# Altium PCB GridSeed_Rev04.PcbDoc (part 5 of 6)
Units mm, origin at the board's own origin, x right, y up, seen from the top; angles counter-clockwise.
Board outline 91 x 132.3 mm, 4 copper layers (L1, L2, L3, L4), stack 1.577 mm thick; 519 components, 141 nets, 2171 pads, 2470 vias.
Unrouted connection lines stored in the file: 1.
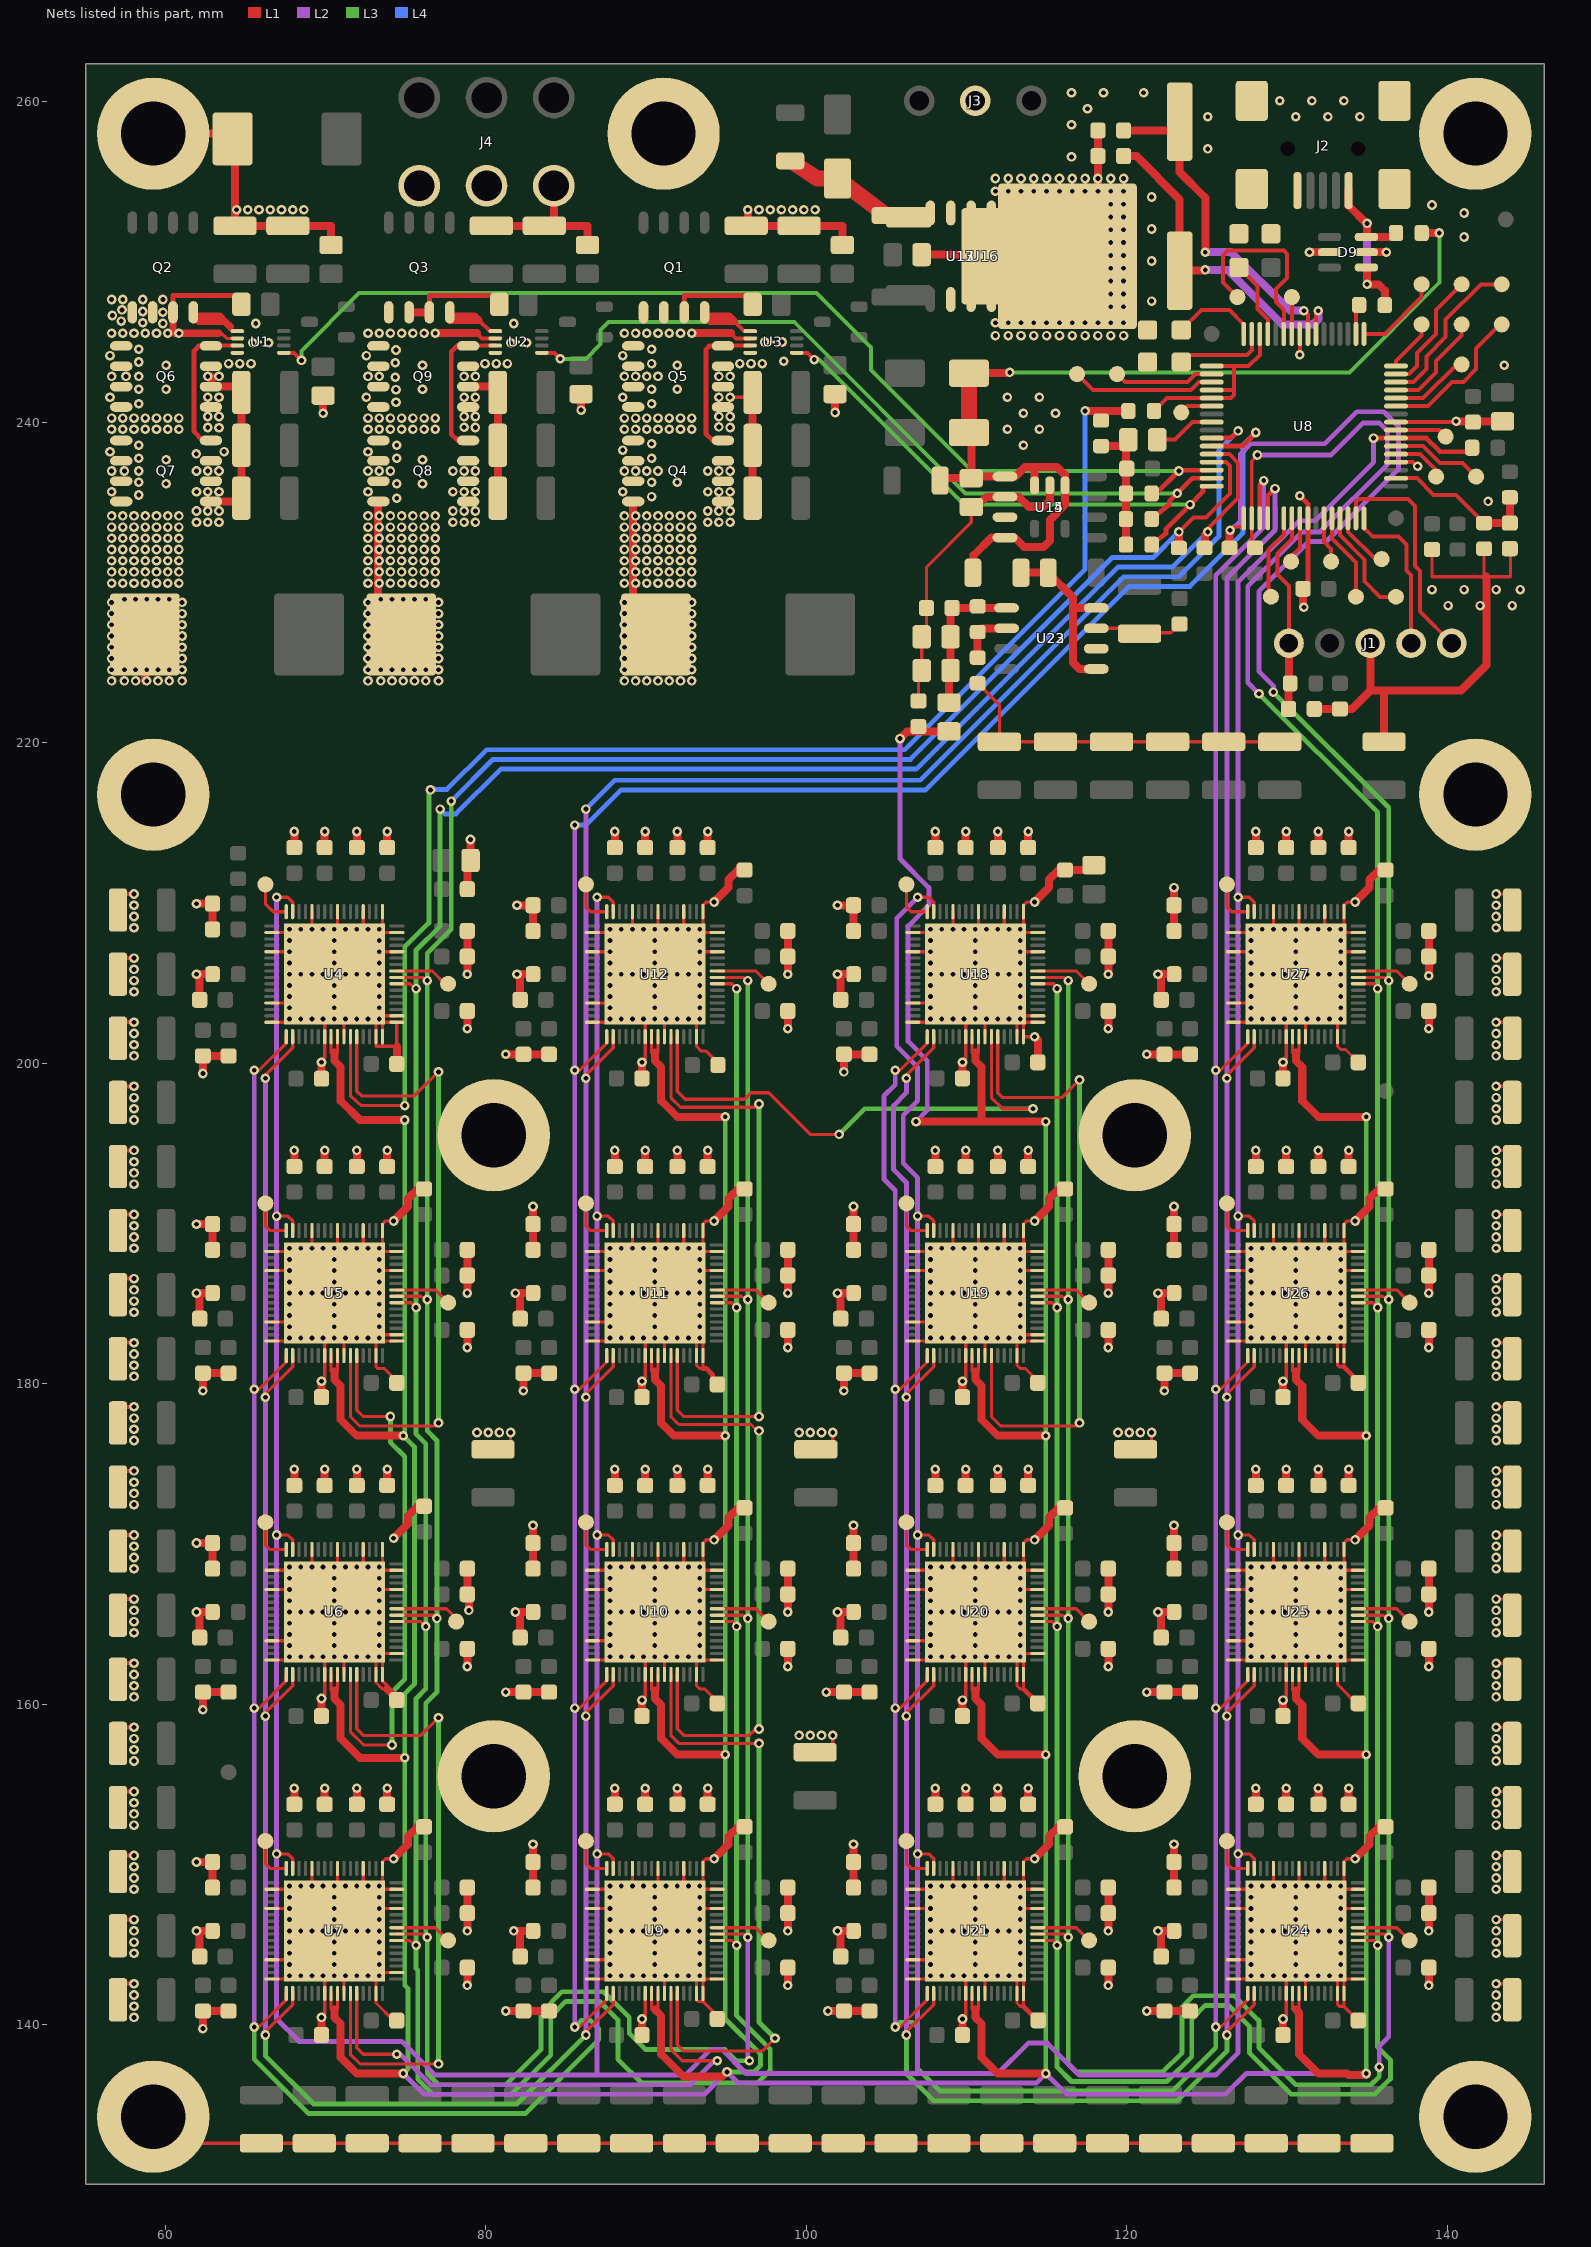
[diagram p7: the nets of this part, all layers, seen from the top]

## Via types
v1: diameter 0.6/0.6/0.6/0.6 (per signal layer), hole 0.3, L1 to L4, 2470 vias

## Nets (pads, with @x,y where several pads share a name; then routed paths per layer and width w, separated by ;. In a path a pad name is that pad's centre, name@x,y a point inside that pad or via, vN(x,y) a via of type N, cw(c..) or ccw(c..) an arc to the next point about the centre after c; other vN are vias at no path point) (continued)
GND: (continued)
  other v1: 58.05,140.45 143.05,140.45 58.05,141.15 143.05,141.15 58.05,141.85 143.05,141.85 67.75,143.05 68.45,143.05 69.15,143.05 69.85,143.05 71.25,143.05 71.95,143.05 72.65,143.05 73.35,143.05 87.75,143.05 88.45,143.05 89.15,143.05 89.85,143.05 91.25,143.05 91.95,143.05 92.65,143.05 93.35,143.05 107.75,143.05 108.45,143.05 109.15,143.05 109.85,143.05 111.25,143.05 111.95,143.05 112.65,143.05 113.35,143.05 127.75,143.05 128.45,143.05 129.15,143.05 129.85,143.05 131.25,143.05 131.95,143.05 132.65,143.05 133.35,143.05 67.75,143.75 73.35,143.75 87.75,143.75 93.35,143.75 107.75,143.75 113.35,143.75 127.75,143.75 133.35,143.75 58.05,144.45 67.75,144.45 73.35,144.45 87.75,144.45 93.35,144.45 107.75,144.45 113.35,144.45 127.75,144.45 133.35,144.45 143.05,144.45 58.05,145.15 67.75,145.15 73.35,145.15 87.75,145.15 93.35,145.15 107.75,145.15 113.35,145.15 127.75,145.15 133.35,145.15 143.05,145.15 58.05,145.85 67.75,145.85 68.45,145.85 69.15,145.85 69.85,145.85 71.25,145.85 71.95,145.85 72.65,145.85 73.35,145.85 87.75,145.85 88.45,145.85 89.15,145.85 89.85,145.85 91.25,145.85 91.95,145.85 92.65,145.85 93.35,145.85 107.75,145.85 108.45,145.85 109.15,145.85 109.85,145.85 111.25,145.85 111.95,145.85 112.65,145.85 113.35,145.85 127.75,145.85 128.45,145.85 129.15,145.85 129.85,145.85 131.25,145.85 131.95,145.85 132.65,145.85 133.35,145.85 143.05,145.85 67.75,146.55 73.35,146.55 87.75,146.55 93.35,146.55 107.75,146.55 113.35,146.55 127.75,146.55 133.35,146.55 67.75,147.95 73.35,147.95 87.75,147.95 93.35,147.95 107.75,147.95 113.35,147.95 127.75,147.95 133.35,147.95 58.05,148.45 143.05,148.45 67.75,148.65 68.45,148.65 69.85,148.65 70.55,148.65 71.25,148.65 71.95,148.65 72.65,148.65 73.35,148.65 87.75,148.65 88.45,148.65 89.85,148.65 90.55,148.65 91.25,148.65 91.95,148.65 92.65,148.65 93.35,148.65 107.75,148.65 108.45,148.65 109.85,148.65 110.55,148.65 111.25,148.65 111.95,148.65 112.65,148.65 113.35,148.65 127.75,148.65 128.45,148.65 129.85,148.65 130.55,148.65 131.25,148.65 131.95,148.65 132.65,148.65 133.35,148.65 58.05,149.15 143.05,149.15 58.05,149.85 143.05,149.85 58.05,152.45 143.05,152.45 58.05,153.15 143.05,153.15 58.05,153.85 143.05,153.85 58.05,156.45 143.05,156.45 58.05,157.15 143.05,157.15 58.05,157.85 143.05,157.85 99.55,158.05 100.25,158.05 100.95,158.05 58.05,160.45 143.05,160.45 58.05,161.15 143.05,161.15 58.05,161.85 143.05,161.85 68.45,162.95 69.15,162.95 69.85,162.95 71.25,162.95 71.95,162.95 72.65,162.95 73.35,162.95 87.75,162.95 88.45,162.95 89.15,162.95 89.85,162.95 91.25,162.95 91.95,162.95 92.65,162.95 93.35,162.95 107.75,162.95 108.45,162.95 109.15,162.95 109.85,162.95 111.25,162.95 111.95,162.95 112.65,162.95 113.35,162.95 127.75,162.95 128.45,162.95 129.15,162.95 129.85,162.95 131.25,162.95 131.95,162.95 132.65,162.95 133.35,162.95 67.75,163.65 73.35,163.65 87.75,163.65 93.35,163.65 107.75,163.65 113.35,163.65 127.75,163.65 133.35,163.65 67.75,164.35 73.35,164.35 87.75,164.35 93.35,164.35 107.75,164.35 113.35,164.35 127.75,164.35 133.35,164.35 58.05,164.45 143.05,164.45 67.75,165.05 73.35,165.05 87.75,165.05 93.35,165.05 107.75,165.05 113.35,165.05 127.75,165.05 133.35,165.05 58.05,165.15 143.05,165.15 67.75,165.75 68.45,165.75 69.15,165.75 69.85,165.75 71.25,165.75 71.95,165.75 72.65,165.75 73.35,165.75 87.75,165.75 88.45,165.75 89.15,165.75 89.85,165.75 91.25,165.75 91.95,165.75 92.65,165.75 93.35,165.75 107.75,165.75 108.45,165.75 109.15,165.75 109.85,165.75 111.25,165.75 111.95,165.75 112.65,165.75 113.35,165.75 127.75,165.75 128.45,165.75 129.15,165.75 129.85,165.75 131.25,165.75 131.95,165.75 132.65,165.75 133.35,165.75 58.05,165.85 143.05,165.85 67.75,166.45 73.35,166.45 87.75,166.45 93.35,166.45 107.75,166.45 113.35,166.45 127.75,166.45 133.35,166.45 67.75,167.85 73.35,167.85 87.75,167.85 93.35,167.85 107.75,167.85 113.35,167.85 127.75,167.85 133.35,167.85 58.05,168.45 143.05,168.45 67.75,168.55 68.45,168.55 69.85,168.55 70.55,168.55 71.25,168.55 71.95,168.55 72.65,168.55 73.35,168.55 87.75,168.55 88.45,168.55 89.85,168.55 90.55,168.55 91.25,168.55 91.95,168.55 92.65,168.55 93.35,168.55 107.75,168.55 108.45,168.55 109.85,168.55 110.55,168.55 111.25,168.55 111.95,168.55 112.65,168.55 113.35,168.55 127.75,168.55 128.45,168.55 129.85,168.55 130.55,168.55 131.25,168.55 131.95,168.55 132.65,168.55 133.35,168.55 58.05,169.15 143.05,169.15 58.05,169.85 143.05,169.85 58.05,172.45 143.05,172.45 58.05,173.15 143.05,173.15 58.05,173.85 143.05,173.85 58.05,176.45 143.05,176.45 79.45,176.95 80.15,176.95 80.85,176.95 99.55,176.95 100.25,176.95 100.95,176.95 119.45,176.95 120.15,176.95 120.85,176.95 58.05,177.15 143.05,177.15 58.05,177.85 143.05,177.85 58.05,180.45 143.05,180.45 58.05,181.15 143.05,181.15 58.05,181.85 143.05,181.85 67.75,182.85 68.45,182.85 69.15,182.85 69.85,182.85 71.25,182.85 71.95,182.85 72.65,182.85 73.35,182.85 87.75,182.85 88.45,182.85 89.15,182.85 89.85,182.85 107.75,182.85 108.45,182.85 109.15,182.85 109.85,182.85 111.25,182.85 111.95,182.85 112.65,182.85 113.35,182.85 127.75,182.85 128.45,182.85 129.15,182.85 129.85,182.85 131.25,182.85 131.95,182.85 132.65,182.85 133.35,182.85 67.75,183.55 73.35,183.55 87.75,183.55 93.35,183.55 107.75,183.55 113.35,183.55 127.75,183.55 133.35,183.55 67.75,184.25 73.35,184.25 87.75,184.25 93.35,184.25 107.75,184.25 113.35,184.25 127.75,184.25 133.35,184.25 58.05,184.45 143.05,184.45 67.75,184.95 73.35,184.95 87.75,184.95 93.35,184.95 107.75,184.95 113.35,184.95 127.75,184.95 133.35,184.95 58.05,185.15 143.05,185.15 67.75,185.65 68.45,185.65 69.15,185.65 69.85,185.65 71.25,185.65 71.95,185.65 72.65,185.65 73.35,185.65 87.75,185.65 88.45,185.65 89.15,185.65 89.85,185.65 91.25,185.65 91.95,185.65 92.65,185.65 93.35,185.65 107.75,185.65 108.45,185.65 109.15,185.65 109.85,185.65 111.25,185.65 111.95,185.65 112.65,185.65 113.35,185.65 127.75,185.65 128.45,185.65 129.15,185.65 129.85,185.65 131.25,185.65 131.95,185.65 132.65,185.65 133.35,185.65 58.05,185.85 143.05,185.85 67.75,186.35 73.35,186.35 87.75,186.35 93.35,186.35 107.75,186.35 113.35,186.35 127.75,186.35 133.35,186.35 67.75,187.75 73.35,187.75 87.75,187.75 93.35,187.75 107.75,187.75 113.35,187.75 127.75,187.75 133.35,187.75 58.05,188.45 67.75,188.45 68.45,188.45 69.85,188.45 70.55,188.45 71.25,188.45 71.95,188.45 72.65,188.45 73.35,188.45 87.75,188.45 88.45,188.45 89.85,188.45 90.55,188.45 91.25,188.45 91.95,188.45 92.65,188.45 93.35,188.45 107.75,188.45 108.45,188.45 109.85,188.45 110.55,188.45 111.25,188.45 111.95,188.45 112.65,188.45 113.35,188.45 127.75,188.45 128.45,188.45 129.85,188.45 130.55,188.45 131.25,188.45 131.95,188.45 132.65,188.45 133.35,188.45 143.05,188.45 58.05,189.15 143.05,189.15 58.05,189.85 143.05,189.85 58.05,192.45 143.05,192.45 58.05,193.15 143.05,193.15 58.05,193.85 143.05,193.85 58.05,196.45 143.05,196.45 58.05,197.15 143.05,197.15 58.05,197.85 143.05,197.85 58.05,200.45 143.05,200.45 58.05,201.15 143.05,201.15 58.05,201.85 143.05,201.85 67.75,202.75 68.45,202.75 69.15,202.75 69.85,202.75 71.25,202.75 71.95,202.75 72.65,202.75 73.35,202.75 87.75,202.75 88.45,202.75 89.15,202.75 89.85,202.75 91.25,202.75 91.95,202.75 92.65,202.75 107.75,202.75 108.45,202.75 109.15,202.75 109.85,202.75 111.25,202.75 111.95,202.75 112.65,202.75 113.35,202.75 127.75,202.75 128.45,202.75 129.15,202.75 129.85,202.75 131.25,202.75 131.95,202.75 132.65,202.75 133.35,202.75 67.75,203.45 73.35,203.45 87.75,203.45 93.35,203.45 107.75,203.45 113.35,203.45 127.75,203.45 133.35,203.45 67.75,204.15 73.35,204.15 87.75,204.15 93.35,204.15 107.75,204.15 113.35,204.15 127.75,204.15 133.35,204.15 58.05,204.45 143.05,204.45 67.75,204.85 73.35,204.85 87.75,204.85 93.35,204.85 107.75,204.85 113.35,204.85 127.75,204.85 133.35,204.85 58.05,205.15 143.05,205.15 67.75,205.55 68.45,205.55 69.15,205.55 69.85,205.55 71.25,205.55 71.95,205.55 72.65,205.55 73.35,205.55 87.75,205.55 88.45,205.55 89.15,205.55 89.85,205.55 91.25,205.55 91.95,205.55 92.65,205.55 93.35,205.55 107.75,205.55 108.45,205.55 109.15,205.55 109.85,205.55 111.25,205.55 111.95,205.55 112.65,205.55 113.35,205.55 127.75,205.55 128.45,205.55 129.15,205.55 129.85,205.55 131.25,205.55 131.95,205.55 132.65,205.55 133.35,205.55 58.05,205.85 143.05,205.85 67.75,206.25 73.35,206.25 87.75,206.25 93.35,206.25 107.75,206.25 113.35,206.25 127.75,206.25 133.35,206.25 67.75,207.65 73.35,207.65 87.75,207.65 93.35,207.65 107.75,207.65 113.35,207.65 127.75,207.65 133.35,207.65 67.75,208.35 68.45,208.35 69.85,208.35 71.25,208.35 71.95,208.35 72.65,208.35 73.35,208.35 87.75,208.35 88.45,208.35 89.85,208.35 90.55,208.35 91.25,208.35 91.95,208.35 92.65,208.35 93.35,208.35 107.75,208.35 108.45,208.35 109.85,208.35 110.55,208.35 111.25,208.35 111.95,208.35 112.65,208.35 113.35,208.35 127.75,208.35 128.45,208.35 129.85,208.35 130.55,208.35 131.25,208.35 131.95,208.35 132.65,208.35 133.35,208.35 58.05,208.45 143.05,208.45 58.05,209.15 143.05,209.15 58.05,209.85 143.05,209.85 140.05,228.55 142.05,228.55 144.05,228.55 139.05,229.55 141.05,229.55 143.05,229.55 144.55,229.55 61.95,233.75 62.65,233.75 63.35,233.75 77.95,233.75 78.65,233.75 79.35,233.75 93.85,233.75 94.55,233.75 95.25,233.75 61.95,234.45 62.65,234.45 63.35,234.45 77.95,234.45 78.65,234.45 79.35,234.45 93.85,234.45 94.55,234.45 95.25,234.45 142.55,235.05 61.95,235.65 62.65,235.65 63.35,235.65 77.95,235.65 78.65,235.65 79.35,235.65 93.85,235.65 94.55,235.65 95.25,235.65 61.95,236.95 62.65,236.95 63.35,236.95 77.95,236.95 78.65,236.95 79.35,236.95 93.85,236.95 94.55,236.95 95.25,236.95 61.938,238.018 63.67,238.16 113.55,238.55 112.55,239.55 114.55,239.55 63.35,239.65 62.65,239.66 79.35,239.66 95.25,239.66 78.65,239.68 94.55,239.7 62.65,240.35 63.35,240.35 78.65,240.35 79.35,240.35 94.55,240.35 95.25,240.35 113.55,240.55 115.55,240.55 62.65,241.55 63.35,241.55 78.65,241.55 79.35,241.55 94.55,241.55 112.55,241.55 114.55,241.55 63.35,242.85 78.65,242.85 79.35,242.85 94.55,242.85 95.25,242.85 143.55,243.55 63.95,243.65 64.65,243.65 65.35,243.65 79.95,243.65 80.65,243.65 81.35,243.65 95.85,243.65 96.55,243.65 97.25,243.65 98.6,243.8 65.45,244.95 66.45,244.95 81.55,244.95 82.55,244.95 97.4,245 98.5,245 111.8,245.4 112.6,245.4 113.4,245.4 114.2,245.4 115,245.4 115.8,245.4 116.6,245.4 117.4,245.4 118.2,245.4 119,245.4 119.8,245.4 65.65,246.15 81.75,246.15 111.8,246.2 112.6,246.2 113.4,246.2 114.2,246.2 115,246.2 115.8,246.2 116.6,246.2 117.4,246.2 118.2,246.2 119,246.2 119.8,246.2 119,247.2 119.8,247.2 121.55,247.55 119,248 119.8,248 119,248.8 119.8,248.8 119,249.6 119.8,249.6 121.55,250.05 119,250.4 119.8,250.4 119,251.2 119.8,251.2 141.05,251.55 119,252 119.8,252 121.55,252.05 119,252.8 119.8,252.8 141.05,253.05 64.45,253.25 65.15,253.25 65.85,253.25 66.55,253.25 67.25,253.25 67.95,253.25 68.65,253.25 97.05,253.25 97.75,253.25 98.45,253.25 99.15,253.25 99.85,253.25 100.55,253.25 139.05,253.55 119,253.6 119.8,253.6 121.55,254.05 111.8,254.4 112.6,254.4 113.4,254.4 114.2,254.4 115,254.4 115.8,254.4 116.6,254.4 117.4,254.4 119,254.4 119.8,254.4 111.8,255.2 112.6,255.2 113.4,255.2 114.2,255.2 115,255.2 115.8,255.2 116.6,255.2 117.4,255.2 119,255.2 119.8,255.2 116.55,256.55 125.05,257.05 116.55,258.55 125.05,259.05 130.55,259.05 132.55,259.05 134.55,259.05 117.55,259.55 129.55,260.05 131.55,260.05 133.55,260.05 116.55,260.55 118.55,260.55 121.05,260.55
GREEN: D5.2 U8.47 | length 5.7
  L1 w0.25: D5.2@123.4,243.75 123.85,244.2 127.5,244.2 127.8,244.5 127.8,244.9 U8.47@127.8,245.5
HO1: Q2.4 U1.1 | length 5.5
  L1 w0.25: 64.05,245.95 64.05,245.825 64.2,245.675 U1.1@64.5,245.675
  L1 w0.45: 64.05,245.95 63.7,246.3 ; 63.7,246.3 63.37,246.63 61.755,246.63 62.085,246.3 63.7,246.3
  L1 w0.5: Q2.4@61.755,246.63 Q2.4@61.755,246.85
HO2: Q3.4 U2.1 | length 5.8
  L1 w0.25: Q3.4@77.755,246.35 Q3.4@77.755,246.63 ; 79.575,246.35 80.25,245.675 U2.1@80.6,245.675
  L1 w0.45: Q3.4@77.755,246.63 79.295,246.63 79.575,246.35 77.755,246.35 Q3.4@77.755,246.65
  L1 w0.5: Q3.4@77.755,246.65 Q3.4@77.755,246.85
HO3: Q1.4 U3.1 | length 5.4
  L1 w0.25: 95.5,246.3 96.125,245.675 U3.1@96.5,245.675
  L1 w0.45: Q1.4@93.655,246.63 95.17,246.63 95.5,246.3 93.985,246.3 Q1.4@93.655,246.63
  L1 w0.5: Q1.4@93.655,246.63 Q1.4@93.655,246.85
LDO3.3V-5.0V: R48.1 R49.1 U22.5 U22.8 U23.5 U23.8 | length 10.8
  L1 w0.5: R49.1@113.4,230.6 R48.1@115.1,230.6 116.65,229.05 116.65,228.405 ; U23.5@118,224.595 117.05,224.595 116.65,224.995 116.65,228.405 ; U23.8@118,228.405 116.65,228.405
LDO5.0V: C226.1 D8.1 D10.2 R33.1 R42.2 R49.2 U14.1 U14.3 U15.5 U15.8 | length 63.2
  L1 w0.5: R42.2@108.35,236.35 108.5,236.5 C226.1@110.3,236.5 C226.1@110.3,236.605 ; D10.2@110.15,239.35 110.3,239.2 C226.1@110.3,236.605 ; D8.1@110.15,243.05 112.65,243.05 v1(112.7,243.1) ; R49.2@110.4,230.6 110.45,230.65 110.45,231.695 111.55,232.795 U15.8@112.4,232.795 113.005,232.795 113.6,232.2 114.8,232.2 115.2,232.6 115.2,233.9 116.15,234.85 U14.1@116.15,236.05 116.15,236.7 115.65,237.2 114.25,237.2 ; U14.3@114.25,236.05 114.25,237.2 ; R33.1@138.4,251.8 v1(139.5,251.8) ; C226.1@110.3,236.605 U15.5@112.4,236.605 113.055,236.605 113.65,237.2 114.25,237.2
  L1 w1: D10.2@110.15,239.35 D8.1@110.15,243.05
  L3 w0.25: v1(112.7,243.1) 133.9,243.1 139.5,248.7 v1(139.5,251.8)
LM12V: D11.1 R47.1 U13.8 U16.1 U17.1 | length 11
  L1 w0.5: U16.1@105.95,252.89 U17.1@106.15,252.89 ; U17.1@106.34,252.9 106.49,253.05 U13.8@107.745,253.05 ; U17.1@106.4,252.64 U17.1@106.4,252.84 ; U17.1@106.15,252.89 106.35,252.89 U17.1@106.4,252.84 ; U17.1@106.15,252.89 U17.1@106.4,252.84
  L1 w1: R47.1@99,256.3 100.7,255.2 D11.1@101.95,255.2 105,252.9 106.34,252.9 U17.1@106.15,252.89
LO1: Q6.4 Q7.4 U1.3 | length 9.2
  L1 w0.25: Q6.4@62.85,244.755 62.85,244.775 U1.3@64.5,244.775
  L1 w0.3: Q7.4@62.85,238.855 62.845,238.85 62.35,238.85 61.8,239.4 61.8,244.45 62.105,244.755 Q6.4@62.85,244.755
LO2: Q8.4 Q9.4 U2.3 | length 9.3
  L1 w0.25: Q9.4@78.9,244.755 78.92,244.775 U2.3@80.6,244.775
  L1 w0.3: Q8.4@78.9,238.855 78.25,238.855 77.85,239.255 77.85,244.4 78.225,244.775 Q9.4@78.92,244.775
LO3: Q4.4 Q5.4 U3.3 | length 9.4
  L1 w0.25: Q5.4@95.05,244.755 95.07,244.775 U3.3@96.5,244.775
  L1 w0.3: Q4.4@94.8,238.855 94.15,238.855 93.75,239.255 93.75,244.545 93.96,244.755 Q5.4@95.05,244.755
LTC_EN: R6.1 U4.47 U5.47 U6.47 U7.47 U8.23 U9.47 U10.47 U11.47 U12.47 U18.47 U19.47 U20.47 U21.47 U24.47 U25.47 U26.47 U27.47 | length 422.8
  L1 w0.2: v1(66.95,150.65) 67.65,150.65 67.95,150.35 U7.47@67.95,149.75 ; v1(66.95,170.55) 67.65,170.55 67.95,170.25 U6.47@67.95,169.65 ; v1(66.95,190.45) 67.65,190.45 67.95,190.15 U5.47@67.95,189.55 ; v1(66.95,210.35) 67.65,210.35 67.95,210.05 U4.47@67.95,209.45 ; v1(86.95,150.65) 87.65,150.65 87.95,150.35 U9.47@87.95,149.75 ; v1(86.95,170.55) 87.65,170.55 87.95,170.25 U10.47@87.95,169.65 ; v1(86.95,190.45) 87.65,190.45 87.95,190.15 U11.47@87.95,189.55 ; v1(86.95,210.35) 87.65,210.35 87.95,210.05 U12.47@87.95,209.45 ; v1(106.95,150.65) 107.65,150.65 107.95,150.35 U21.47@107.95,149.75 ; v1(106.95,170.55) 107.65,170.55 107.95,170.25 U20.47@107.95,169.65 ; v1(106.95,190.45) 107.65,190.45 107.95,190.15 U19.47@107.95,189.55 ; v1(106.95,210.35) 107.65,210.35 107.95,210.05 U18.47@107.95,209.45 ; v1(126.95,150.65) 127.65,150.65 127.95,150.35 U24.47@127.95,149.75 ; v1(126.95,170.55) 127.65,170.55 127.95,170.25 U25.47@127.95,169.65 ; v1(126.95,190.45) 127.65,190.45 127.95,190.15 U26.47@127.95,189.55 ; v1(126.95,210.35) 127.65,210.35 127.95,210.05 U27.47@127.95,209.45
  L1 w0.3: v1(135.4,239) 138.7,239 139.55,238.15 141.55,238.15 R6.1@141.55,238.4
  L2 w0.3: v1(66.95,210.35) v1(66.95,190.45) v1(66.95,170.55) v1(66.95,150.65) 66.95,140.35 68.35,138.95 74.75,138.95 76.85,136.85 86.95,136.85 ; v1(86.95,210.35) v1(86.95,190.45) v1(86.95,170.55) v1(86.95,150.65) 86.95,136.85 ; v1(106.95,210.35) 105.65,209.05 105.65,201.05 106.95,199.75 106.95,197.65 106.05,196.75 106.05,193.75 106.95,192.85 v1(106.95,190.45) v1(106.95,170.55) v1(106.95,150.65) 106.95,136.95 ; v1(135.4,239) 135.4,237.5 131.75,233.85 130.75,233.85 126.95,230.05 v1(126.95,210.35) v1(126.95,190.45) v1(126.95,170.55) v1(126.95,150.65) 126.95,138.25 125.55,136.85 117.05,136.85 115.05,138.85 113.85,138.85 111.95,136.95 106.95,136.95 ; 86.95,136.85 92.45,136.85 94.05,138.45 94.74,138.45 96.24,136.95 106.95,136.95
"MAIN OSC IN": C173.1 U8.39 Y1.1 | length 21.4
  L1 w0.25: U8.39@131.8,245.5 131.817,245.5 131.817,246.95 v1(131.95,246.95)
  L1 w0.5: C173.1@119.8,256.6 120.6,256.6 123.3,253.9 Y1.1@123.3,249.45 124.85,249.45 v1(124.9,249.5)
  L2 w0.5: v1(124.9,249.5) 126.3,249.5 129.7,246.1 131.6,246.1 131.95,246.4 v1(131.95,246.95)
"MAIN OSC OUT": C174.1 U8.40 Y1.2 | length 21.5
  L1 w0.25: v1(131.05,246.95) 131.3,246.7 U8.40@131.3,245.5
  L1 w0.5: C174.1@119.8,258.2 Y1.2@123.3,258.2 ; Y1.2@123.3,258.75 Y1.2@123.3,258.2 ; v1(124.9,250.6) 124.9,254 123.3,255.6 Y1.2@123.3,258.2
  L2 w0.5: v1(124.9,250.6) 126.5,250.6 130.2,246.95 v1(131.05,246.95)
MCLR: C168.1 J1.1 R31.1 U8.7 | length 12.6
  L1 w0.25: J1.1@130.12,226.2 130.12,229.78 129.41,230.49 129.41,231.81 130.3,232.7 U8.7@130.3,234
  L1 w0.5: C168.1@130.1,222.1 130.1,223.6 R31.1@130.2,223.7 130.12,223.78 J1.1@130.12,226.2
MCU5.0V: R32.2 U8.34 | length 2
  L1 w0.25: U8.34@134.3,245.5 134.3,247.3 R32.2@134.5,247.3
MEAS12: C138.1 R23.2 R25.2 U8.18 | length 9.9
  L1 w0.25: U8.18@136.8,236.5 138.1,236.5 139.15,235.45 140.55,235.45 R25.2@142.3,233.7
  L1 w0.5: R25.2@142.3,233.7 C138.1@143.9,233.7 R23.2@143.9,235.3
NetR50_2: R50.2 R51.1 U22.2 | length 3.6
  L1 w0.5: R51.1@110.7,225.3 R50.2@110.7,226.9 110.935,227.135 U22.2@112.5,227.135 U22.2@112.6,227.135
NetR52_2: R52.2 R55.1 U23.2 | length 1.6
  L1 w0.5: R52.2@110.935,227.135 U23.2@112.5,227.135
NetTP9_1: TP9.1 U8.6 | length 5.4
  L1 w0.25: TP9.1@129,229.1 129,229.464 128.85,229.614 128.85,232.05 129.8,233 U8.6@129.8,234
NetTP10_1: TP10.1 U8.8 | length 2.9
  L1 w0.2: TP10.1@130.23,231.57 TP10.1@130.25,231.55
  L1 w0.24: TP10.1@130.25,231.3 TP10.1@130.25,231.55
  L1 w0.25: TP10.1@130.23,231.57 130.8,232.141 U8.8@130.8,234
NetTP11_1: TP11.1 U8.54 | length 2.1
  L1 w0.25: TP11.1@123.4,240.6 123.8,241 U8.54@125.3,241
NetTP12_1: TP12.1 U8.13 | length 6.9
  L1 w0.25: U8.13@133.3,234 133.3,232.95 134.85,231.4 134.85,230.05 135.8,229.1 TP12.1@136.8,229.1
NetTP17_1: TP17.1 U8.14 | length 3.7
  L1 w0.25: U8.14@133.8,234 133.818,234 133.818,233.15 135.518,231.45 TP17.1@135.9,231.45
NetTP18_1: TP18.1 U8.51 | length 9
  L1 w0.25: TP18.1@116.9,243 117.9,242 124,242 124.5,242.5 U8.51@125.3,242.5
NetTP19_1: TP19.1 U8.50 | length 6.3
  L1 w0.25: TP19.1@119.4,243 119.9,242.5 123.8,242.5 124.3,243 U8.50@125.3,243
NetTP20_1: TP20.1 U8.21 | length 3.3
  L1 w0.25: U8.21@136.8,238 138.3,238 139.3,237 TP20.1@139.3,236.6
NetTP21_1: TP21.1 U8.22 | length 5.8
  L1 w0.25: U8.22@136.8,238.5 138.5,238.5 139.55,237.45 140.95,237.45 TP21.1@141.8,236.6
NetTP22_1: TP22.1 U8.43 | length 12.7
  L1 w0.25: TP22.1@126.9,247.8 126,248.7 126,250.4 126.3,250.7 129.8,250.7 130,250.5 130,249 129.3,248.3 129.3,247.5 129.8,247 U8.43@129.8,245.5
NetTP23_1: TP23.1 U8.42 | length 2.3
  L1 w0.25: U8.42@130.3,245.5 TP23.1@130.3,247.8
NetTP24_1: TP24.1 U8.24 | length 3.3
  L1 w0.25: U8.24@136.8,239.5 139.5,239.5 TP24.1@139.9,239.1
NetTP25_1: TP25.1 U8.27 | length 9.5
  L1 w0.25: U8.27@136.8,241 138.8,241 140.3,242.5 141,242.5 141.8,243.3 141.8,244.6 143.3,246.1 TP25.1@143.4,246.1
NetTP26_1: TP26.1 U8.28 | length 5
  L1 w0.25: U8.28@136.8,241.5 138.5,241.5 140.6,243.6 TP26.1@140.9,243.6
NetTP27_1: TP27.1 U8.29 | length 6.6
  L1 w0.25: U8.29@136.8,242 138.206,242 139.303,243.097 139.303,243.803 140.9,245.4 TP27.1@140.9,246.1
NetTP28_1: TP28.1 U8.30 | length 10.2
  L1 w0.25: U8.30@136.8,242.5 137.9,242.5 138.7,243.3 138.7,244.1 139.9,245.3 139.9,246.4 142.1,248.6 TP28.1@143.4,248.6
NetTP29_1: TP29.1 U8.31 | length 7.8
  L1 w0.25: U8.31@136.8,243 137.6,243 138.1,243.5 138.1,244.3 139.3,245.5 139.3,247 TP29.1@140.9,248.6
NetTP30_1: TP30.1 U8.32 | length 3.3
  L1 w0.25: U8.32@136.8,243.5 136.8,243.8 138.4,245.4 TP30.1@138.4,246.1
NetTP31_1: TP31.1 U8.33 | length 5.4
  L1 w0.25: U8.33@134.8,245.5 136.1,245.5 138.4,247.8 TP31.1@138.4,248.6
NetTP53_1: TP53.1 U8.11 | length 2.9
  L1 w0.25: U8.11@132.3,234 132.3,232.544 132.75,232.094 TP53.1@132.75,231.3
NetTP54_1: TP54.1 U8.12 | length 5.5
  L1 w0.25: U8.12@132.8,234 132.8,232.75 134.3,231.25 TP54.1@134.3,229.1
ORANGE: D7.2 U8.45 | length 4.9
  L1 w0.25: D7.2@127,249.65 128.15,248.5 128.15,247.05 128.8,246.4 U8.45@128.8,245.5